# Allegro board arena_12-12_v5.brd (continued)
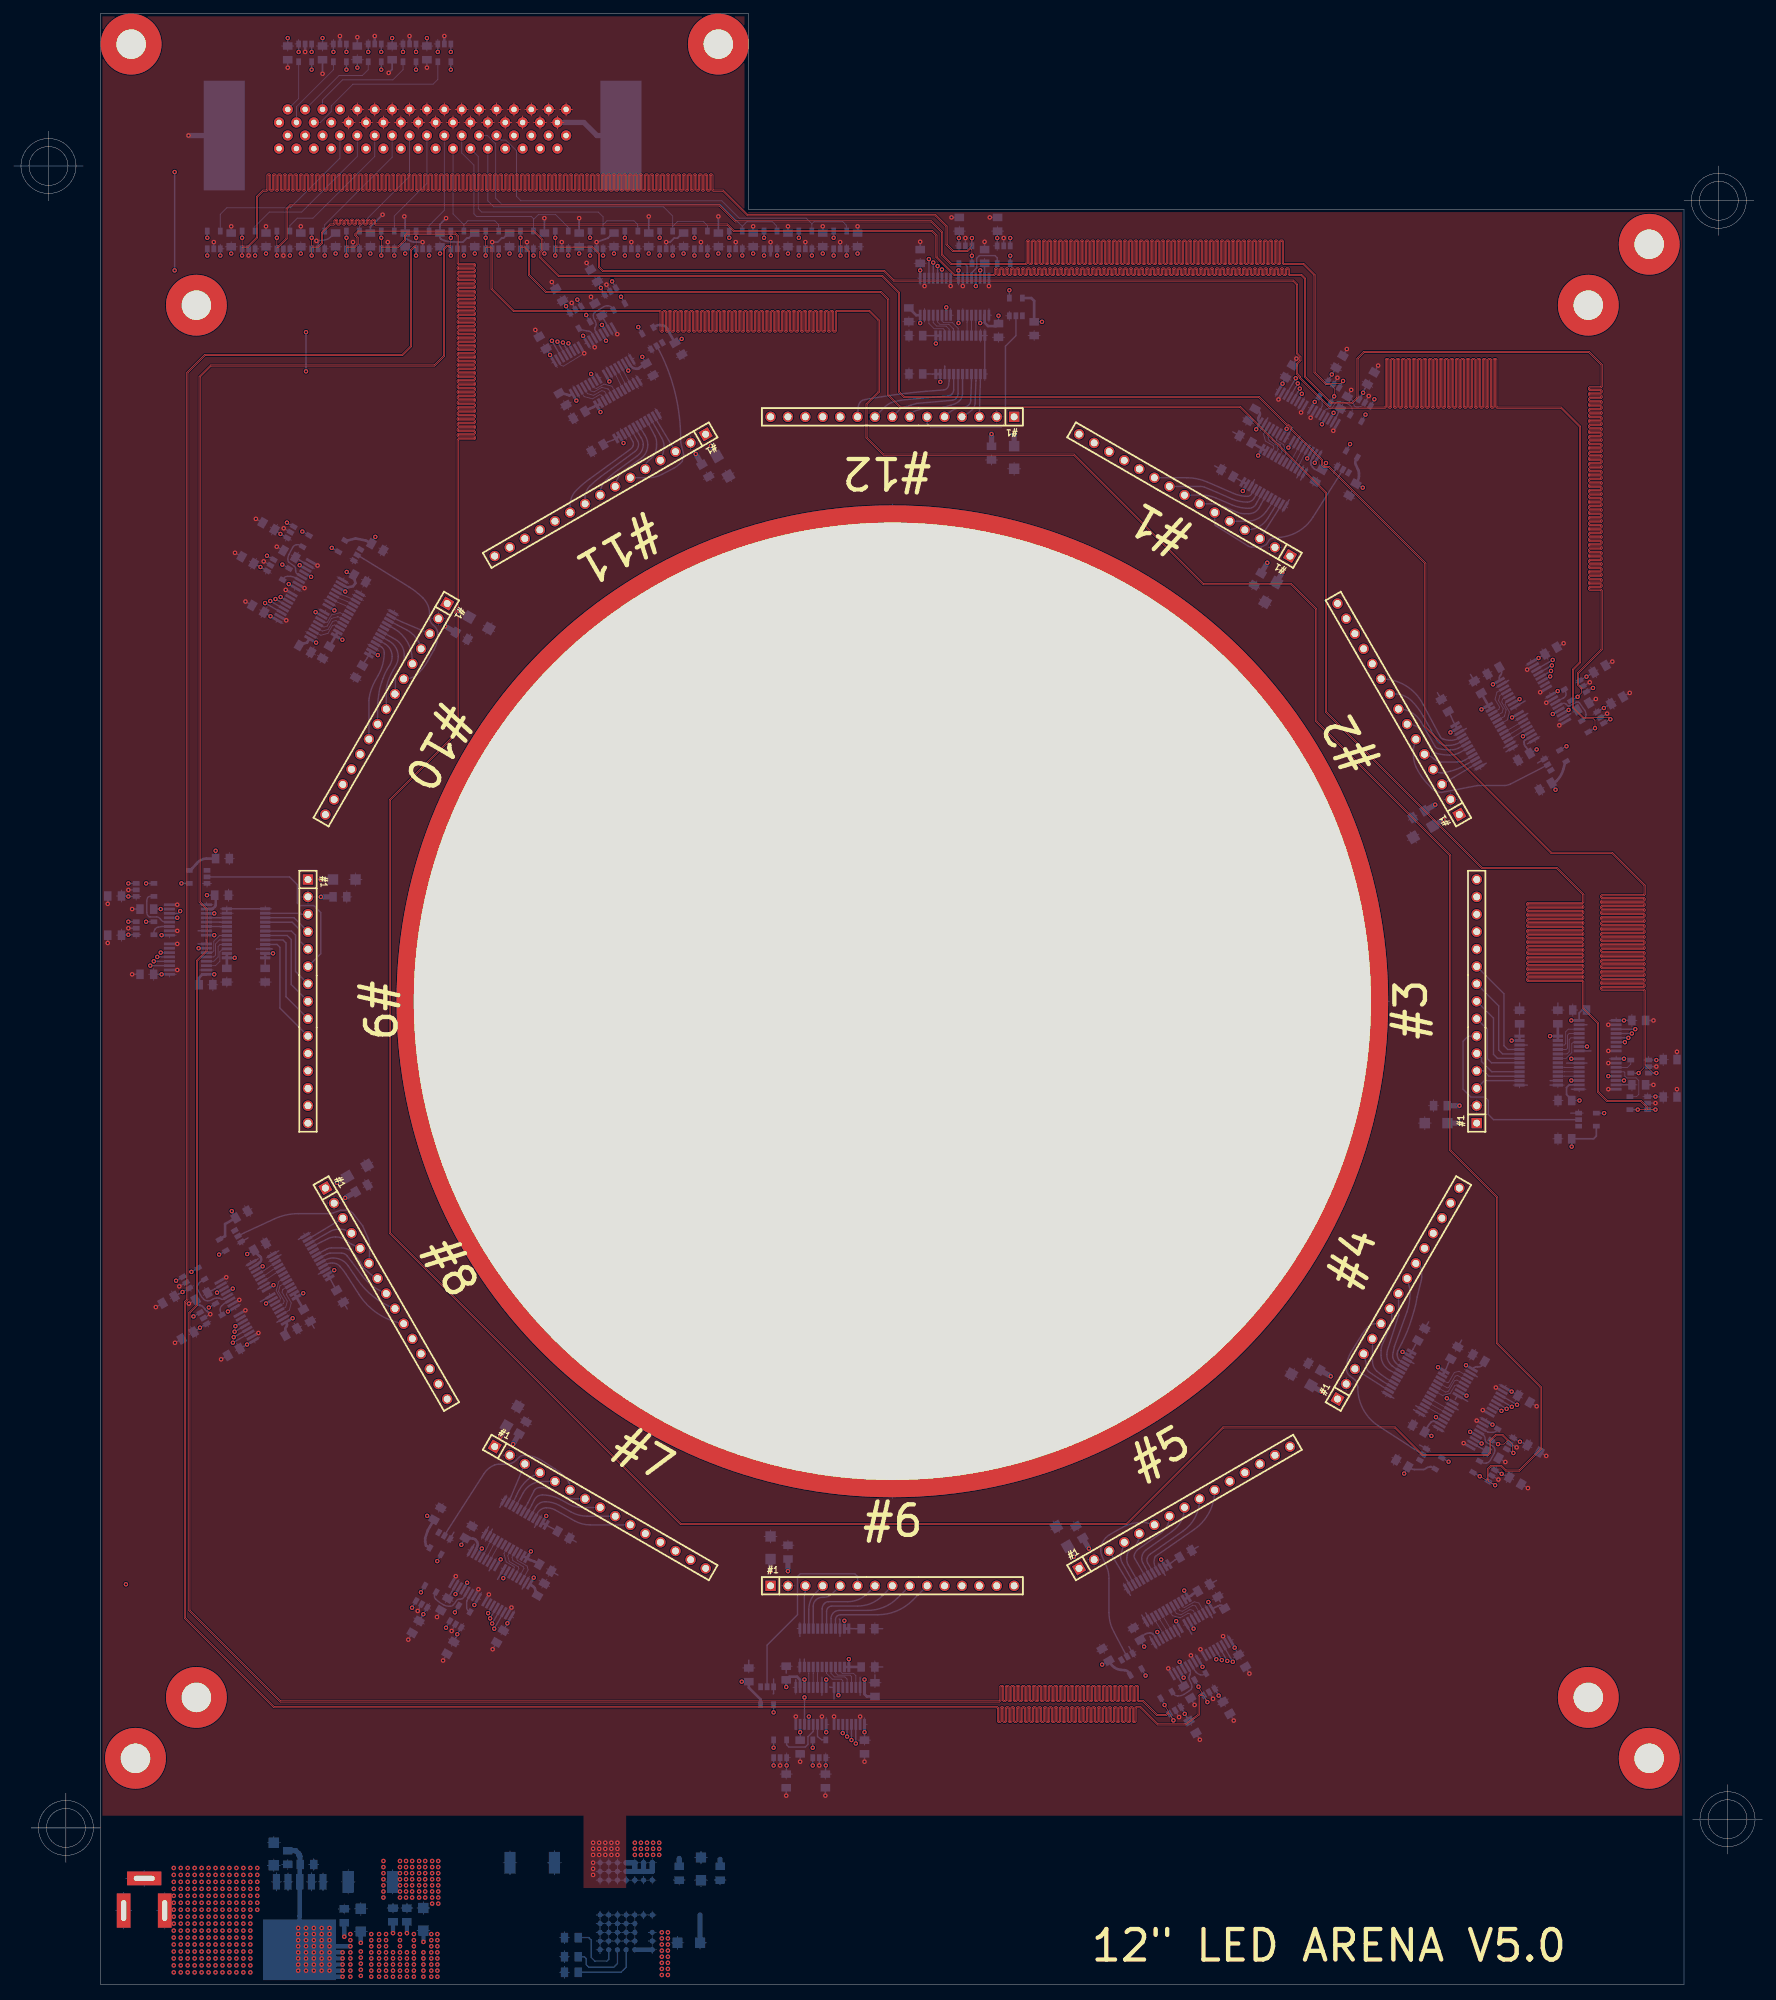
[diagram p0: board, top side]
## Routing (per net, layer and track width the routed paths; a pad name or vN(x,y) marks a point on that pad's centre or on a via; arc(x,y) is an arc through that point) (continued)
M8_P: length 503.8
  TOP w0.089: v1(230.55,189.25) 230.54,189.23 228.98,189.23 228.47,189.74 228.47,191.39 231.9,194.82 231.9,203.51 231.73,203.68 230.11,203.68 230.05,203.74 230.05,203.83 230.11,203.9 231.73,203.9 231.9,204.06 231.9,204.3 231.73,204.47 230.11,204.47 230.05,204.53 230.05,204.62 230.11,204.68 231.73,204.68 231.9,204.85 231.9,205.09 231.73,205.25 230.11,205.25 230.05,205.32 230.05,205.41 230.11,205.47 231.73,205.47 231.9,205.64 231.9,205.87 231.73,206.04 230.11,206.04 230.05,206.11 230.05,206.19 230.11,206.26 231.73,206.26 231.9,206.43 231.9,206.66 231.73,206.83 230.11,206.83 230.05,206.89 230.05,206.98 230.11,207.05 231.73,207.05 231.9,207.21 231.9,207.45 231.73,207.62 230.11,207.62 230.05,207.68 230.05,207.77 230.11,207.83 231.73,207.83 231.9,208 231.9,208.24 231.73,208.4 230.11,208.4 230.05,208.47 230.05,208.56 230.11,208.62 231.73,208.62 231.9,208.79 231.9,209.02 231.73,209.19 230.11,209.19 230.05,209.26 230.05,209.34 230.11,209.41 231.73,209.41 231.9,209.58 231.9,209.81 231.73,209.98 230.11,209.98 230.05,210.04 230.05,210.13 230.11,210.2 231.73,210.2 231.9,210.36 231.9,210.6 231.73,210.77 230.11,210.77 230.05,210.83 230.05,210.92 230.11,210.98 231.73,210.98 231.9,211.15 231.9,211.39 231.73,211.55 230.11,211.55 230.05,211.62 230.05,211.71 230.11,211.77 231.73,211.77 231.9,211.94 231.9,212.17 231.73,212.34 230.11,212.34 230.05,212.4 230.05,212.49 230.11,212.56 231.73,212.56 231.9,212.72 231.9,212.96 231.73,213.13 230.11,213.13 230.05,213.19 230.05,213.28 230.11,213.34 231.73,213.34 231.9,213.51 231.9,213.75 231.73,213.92 230.11,213.92 230.05,213.98 230.05,214.07 230.11,214.13 231.73,214.13 231.9,214.3 231.9,214.54 231.73,214.7 230.11,214.7 230.05,214.77 230.05,214.86 230.11,214.92 231.73,214.92 231.9,215.09 231.9,215.32 231.73,215.49 230.11,215.49 230.05,215.55 230.05,215.64 230.11,215.71 231.73,215.71 231.9,215.87 231.9,216.11 231.73,216.28 230.11,216.28 230.05,216.34 230.05,216.43 230.11,216.49 231.73,216.49 231.9,216.66 231.9,216.9 231.73,217.07 230.11,217.07 230.05,217.13 230.05,217.22 230.11,217.28 231.73,217.28 231.9,217.45 231.9,217.69 231.73,217.85 230.11,217.85 230.05,217.92 230.05,218.01 230.11,218.07 231.73,218.07 231.9,218.24 231.9,218.47 231.73,218.64 230.11,218.64 230.05,218.7 230.05,218.79 230.11,218.86 231.73,218.86 231.9,219.02 231.9,219.26 231.73,219.43 230.11,219.43 230.05,219.49 230.05,219.58 230.11,219.64 231.73,219.64 231.9,219.81 231.9,220.05 231.73,220.22 230.11,220.22 230.05,220.28 230.05,220.37 230.11,220.43 231.73,220.43 231.9,220.6 231.9,220.84 231.73,221 230.11,221 230.05,221.07 230.05,221.16 230.11,221.22 231.73,221.22 231.9,221.39 231.9,221.62 231.73,221.79 230.11,221.79 230.05,221.85 230.05,221.94 230.11,222.01 231.73,222.01 231.9,222.17 231.9,222.41 231.73,222.58 230.11,222.58 230.05,222.64 230.05,222.73 230.11,222.79 231.73,222.79 231.9,222.96 231.9,223.2 231.73,223.37 230.11,223.37 230.05,223.43 230.05,223.52 230.11,223.58 231.73,223.58 231.9,223.75 231.9,223.98 231.73,224.15 230.11,224.15 230.05,224.22 230.05,224.3 230.11,224.37 231.73,224.37 231.9,224.54 231.9,224.77 231.73,224.94 230.11,224.94 230.05,225 230.05,225.09 230.11,225.16 231.73,225.16 231.9,225.32 231.9,225.56 231.73,225.73 230.11,225.73 230.05,225.79 230.05,225.88 230.11,225.94 231.73,225.94 231.9,226.11 231.9,226.35 231.73,226.51 230.11,226.51 230.05,226.58 230.05,226.67 230.11,226.73 231.73,226.73 231.9,226.9 231.9,227.13 231.73,227.3 230.11,227.3 230.05,227.37 230.05,227.45 230.11,227.52 231.73,227.52 231.9,227.69 231.9,227.92 231.73,228.09 230.11,228.09 230.05,228.15 230.05,228.24 230.11,228.31 231.73,228.31 231.9,228.47 231.9,228.71 231.73,228.88 230.11,228.88 230.05,228.94 230.05,229.03 230.11,229.09 231.73,229.09 231.9,229.26 231.9,229.5 231.73,229.66 230.11,229.66 230.05,229.73 230.05,229.82 230.11,229.88 231.73,229.88 231.9,230.05 231.9,230.28 231.73,230.45 230.11,230.45 230.05,230.52 230.05,230.6 230.11,230.67 231.73,230.67 231.9,230.84 231.9,231.07 231.73,231.24 230.11,231.24 230.05,231.3 230.05,231.39 230.11,231.45 231.73,231.45 231.9,231.62 231.9,231.86 231.73,232.03 230.11,232.03 230.05,232.09 230.05,232.18 230.11,232.24 231.73,232.24 231.9,232.41 231.9,232.65 231.73,232.81 230.11,232.81 230.05,232.88 230.05,232.97 230.11,233.03 231.73,233.03 231.9,233.2 231.9,236.47 230,238.38 197.1,238.38 196.09,237.36 196.09,231.65 195.33,230.89 192.41,230.89 188.6,234.7 188.6,249.04 188.03,249.61 186.29,249.61 186.23,249.67 186.23,250.4 186.06,250.57 185.82,250.57 185.65,250.4 185.65,249.67 185.59,249.61 185.5,249.61 185.44,249.67 185.44,250.4 185.27,250.57 185.03,250.57 184.87,250.4 184.87,249.67 184.8,249.61 184.71,249.61 184.65,249.67 184.65,250.4 184.48,250.57 184.25,250.57 184.08,250.4 184.08,249.67 184.02,249.61 183.93,249.61 183.86,249.67 183.86,250.4 183.7,250.57 183.46,250.57 183.29,250.4 183.29,249.67 183.23,249.61 183.14,249.61 183.08,249.67 183.08,250.4 182.91,250.57 182.67,250.57 182.5,250.4 182.5,249.67 182.44,249.61 182.35,249.61 182.29,249.67 182.29,250.4 182.12,250.57 181.88,250.57 181.72,250.4 181.72,249.67 181.65,249.61 181.56,249.61 181.5,249.67 181.5,250.4 181.33,250.57 181.1,250.57 180.93,250.4 180.93,249.67 180.87,249.61 180.78,249.61 180.71,249.67 180.71,250.4 180.55,250.57 180.31,250.57 180.14,250.4 180.14,249.67 180.08,249.61 179.99,249.61 179.93,249.67 179.93,250.4 179.76,250.57 179.52,250.57 179.35,250.4 179.35,249.67 179.29,249.61 179.2,249.61 179.14,249.67 179.14,250.4 178.97,250.57 178.73,250.57 178.57,250.4 178.57,249.67 178.5,249.61 178.41,249.61 178.35,249.67 178.35,250.4 178.18,250.57 177.95,250.57 177.78,250.4 177.78,249.67 177.72,249.61 177.63,249.61 177.56,249.67 177.56,250.4 177.4,250.57 177.16,250.57 176.99,250.4 176.99,249.67 176.93,249.61 176.84,249.61 176.78,249.67 176.78,250.4 176.61,250.57 176.37,250.57 176.2,250.4 176.2,249.67 176.14,249.61 176.05,249.61 175.99,249.67 175.99,250.4 175.82,250.57 175.59,250.57 175.42,250.4 175.42,249.67 175.35,249.61 175.27,249.61 175.2,249.67 175.2,250.4 175.03,250.57 174.8,250.57 174.63,250.4 174.63,249.67 174.57,249.61 174.48,249.61 174.41,249.67 174.41,250.4 174.25,250.57 174.01,250.57 173.84,250.4 173.84,249.67 173.78,249.61 173.69,249.61 173.63,249.67 173.63,250.4 173.46,250.57 173.22,250.57 173.06,250.4 173.06,249.67 172.99,249.61 172.9,249.61 172.84,249.67 172.84,250.4 172.67,250.57 172.44,250.57 172.27,250.4 172.27,249.67 172.2,249.61 172.12,249.61 172.05,249.67 172.05,250.4 171.88,250.57 171.65,250.57 171.48,250.4 171.48,249.67 171.42,249.61 171.33,249.61 171.26,249.67 171.26,250.4 171.1,250.57 170.86,250.57 170.69,250.4 170.69,249.67 170.63,249.61 170.54,249.61 170.48,249.67 170.48,250.4 170.31,250.57 170.07,250.57 169.91,250.4 169.91,249.67 169.84,249.61 169.75,249.61 169.69,249.67 169.69,250.4 169.52,250.57 169.29,250.57 169.12,250.4 169.12,249.67 169.05,249.61 168.97,249.61 168.9,249.67 168.9,250.4 168.73,250.57 168.5,250.57 168.33,250.4 168.33,249.67 168.27,249.61 168.18,249.61 168.11,249.67 168.11,250.4 167.95,250.57 167.71,250.57 167.54,250.4 167.54,249.67 167.48,249.61 167.39,249.61 167.33,249.67 167.33,250.4 167.16,250.57 166.92,250.57 166.76,250.4 166.76,249.67 166.69,249.61 166.6,249.61 166.54,249.67 166.54,250.4 166.37,250.57 166.14,250.57 165.97,250.4 165.97,249.67 165.91,249.61 165.82,249.61 165.75,249.67 165.75,250.4 165.59,250.57 165.35,250.57 165.18,250.4 165.18,249.67 165.12,249.61 165.03,249.61 164.97,249.67 164.97,250.4 164.8,250.57 164.56,250.57 164.39,250.4 164.39,249.67 164.33,249.61 164.24,249.61 164.18,249.67 164.18,250.4 164.01,250.57 163.77,250.57 163.61,250.4 163.61,249.67 163.54,249.61 163.45,249.61 163.39,249.67 163.39,250.4 163.22,250.57 162.99,250.57 162.82,250.4 162.82,249.67 162.76,249.61 162.67,249.61 162.6,249.67 162.6,250.4 162.44,250.57 162.2,250.57 162.03,250.4 162.03,249.67 161.97,249.61 161.88,249.61 161.82,249.67 161.82,250.4 161.65,250.57 161.41,250.57 161.24,250.4 161.24,249.67 161.18,249.61 161.09,249.61 161.03,249.67 161.03,250.4 160.86,250.57 160.62,250.57 160.46,250.4 160.46,249.67 160.39,249.61 160.3,249.61 160.24,249.67 160.24,250.4 160.07,250.57 159.84,250.57 159.67,250.4 159.67,249.67 159.61,249.61 159.52,249.61 159.45,249.67 159.45,250.4 159.29,250.57 159.05,250.57 158.88,250.4 158.88,249.67 158.82,249.61 158.73,249.61 158.67,249.67 158.67,250.4 158.5,250.57 158.26,250.57 158.09,250.4 158.09,249.67 158.03,249.61 157.94,249.61 157.88,249.67 157.88,250.4 157.71,250.57 157.47,250.57 157.31,250.4 157.31,249.67 157.24,249.61 157.15,249.61 157.09,249.67 157.09,250.4 156.92,250.57 156.69,250.57 156.52,250.4 156.52,249.67 156.46,249.61 156.37,249.61 156.3,249.67 156.3,250.4 156.14,250.57 155.9,250.57 155.73,250.4 155.73,249.67 155.67,249.61 155.58,249.61 155.52,249.67 155.52,250.4 155.35,250.57 155.11,250.57 154.95,250.4 154.95,249.67 154.88,249.61 154.79,249.61 154.73,249.67 154.73,250.4 154.56,250.57 154.33,250.57 154.16,250.4 154.16,249.67 154.09,249.61 154.01,249.61 153.94,249.67 153.94,250.4 153.77,250.57 153.54,250.57 153.37,250.4 153.37,249.67 153.31,249.61 153.22,249.61 153.15,249.67 153.15,250.4 152.99,250.57 152.75,250.57 152.58,250.4 152.58,249.67 152.52,249.61 152.43,249.61 152.37,249.67 152.37,250.4 152.2,250.57 151.96,250.57 151.8,250.4 151.8,249.67 151.73,249.61 151.64,249.61 151.58,249.67 151.58,250.4 151.41,250.57 151.18,250.57 151.01,250.4 151.01,249.67 150.94,249.61 150.86,249.61 150.79,249.67 150.79,250.4 150.62,250.57 150.39,250.57 150.22,250.4 150.22,249.67 150.16,249.61 150.07,249.61 150,249.67 150,250.4 149.84,250.57 149.6,250.57 149.43,250.4 149.43,249.67 149.37,249.61 149.28,249.61 149.22,249.67 149.22,250.4 149.05,250.57 148.81,250.57 148.65,250.4 148.65,249.67 148.58,249.61 148.49,249.61 148.43,249.67 148.43,250.4 148.26,250.57 148.03,250.57 147.86,250.4 147.86,249.67 147.79,249.61 147.71,249.61 147.64,249.67 147.64,250.4 147.47,250.57 147.24,250.57 147.07,250.4 147.07,249.67 147.01,249.61 146.92,249.61 146.86,249.67 146.86,250.4 146.69,250.57 146.45,250.57 146.28,250.4 146.28,249.67 146.22,249.61 146.13,249.61 146.07,249.67 146.07,250.4 145.9,250.57 145.66,250.57 145.5,250.4 145.5,249.67 145.43,249.61 145.34,249.61 145.28,249.67 145.28,250.4 145.11,250.57 144.88,250.57 144.71,250.4 144.71,249.67 144.65,249.61 144.56,249.61 144.49,249.67 144.49,250.4 144.33,250.57 144.09,250.57 143.92,250.4 143.92,249.67 143.86,249.61 143.77,249.61 143.71,249.67 143.71,250.4 143.54,250.57 143.3,250.57 143.13,250.4 143.13,249.67 143.07,249.61 137.36,249.61 134.8,252.17 134.8,255.34 134.11,256.03 105.16,256.03 104.22,256.97 52.89,256.97 52.83,257.04 52.83,257.52 52.66,257.68 52.42,257.68 52.26,257.52 52.26,257.04 52.19,256.97 52.1,256.97 52.04,257.04 52.04,257.52 51.87,257.68 51.64,257.68 51.47,257.52 51.47,257.04 51.4,256.97 51.32,256.97 51.25,257.04 51.25,257.52 51.08,257.68 50.85,257.68 50.68,257.52 50.68,257.04 50.62,256.97 50.53,256.97 50.46,257.04 50.46,257.52 50.3,257.68 50.06,257.68 49.89,257.52 49.89,257.04 49.83,256.97 49.74,256.97 49.68,257.04 49.68,257.52 49.51,257.68 49.27,257.68 49.11,257.52 49.11,257.04 49.04,256.97 48.95,256.97 48.89,257.04 48.89,257.52 48.72,257.68 48.49,257.68 48.32,257.52 48.32,257.04 48.25,256.97 48.17,256.97 48.1,257.04 48.1,257.52 47.93,257.68 47.7,257.68 47.53,257.52 47.53,257.04 47.47,256.97 47.38,256.97 47.32,257.04 47.32,257.52 47.15,257.68 46.91,257.68 46.74,257.52 46.74,257.04 46.68,256.97 46.15,256.97 44.91,255.72 44.91,254.2 44.45,253.74 43.59,253.74 43.5,253.83 v1(43.5,254.95)
  BOTTOM w0.203: U91.4 v1(43.5,254.95) ; U92.3 v1(230.55,189.25)
M9_N: length 510.9
  TOP w0.089: v1(48.58,252.36) 48.58,253.48 48.67,253.57 49.86,253.57 50.29,254 50.29,255.02 49.97,255.33 49.97,255.46 50.42,255.9 75.82,255.9 77.09,254.63 77.09,253.24 76.79,252.94 76.79,252.01 79.5,249.3 126.75,249.3 129.16,246.89 129.16,232.41 129.92,231.65 181.74,231.65 185.81,227.58 186.04,227.58 186.33,227.28 186.33,227.05 190.89,222.49 190.89,221.79 191.29,221.39 191.99,221.39 205.99,207.39 205.99,183.51 224.41,165.1 233.3,165.1 238,160.4 238,159.14 237.93,159.08 231.82,159.08 231.65,158.91 231.65,158.68 231.82,158.51 237.93,158.51 238,158.45 238,158.36 237.93,158.29 231.82,158.29 231.65,158.13 231.65,157.89 231.82,157.72 237.93,157.72 238,157.66 238,157.57 237.93,157.51 231.82,157.51 231.65,157.34 231.65,157.1 231.82,156.93 237.93,156.93 238,156.87 238,156.78 237.93,156.72 231.82,156.72 231.65,156.55 231.65,156.31 231.82,156.15 237.93,156.15 238,156.08 238,155.99 237.93,155.93 231.82,155.93 231.65,155.76 231.65,155.53 231.82,155.36 237.93,155.36 238,155.3 238,155.21 237.93,155.14 231.82,155.14 231.65,154.98 231.65,154.74 231.82,154.57 237.93,154.57 238,154.51 238,154.42 237.93,154.36 231.82,154.36 231.65,154.19 231.65,153.95 231.82,153.78 237.93,153.78 238,153.72 238,153.63 237.93,153.57 231.82,153.57 231.65,153.4 231.65,153.16 231.82,153 237.93,153 238,152.93 238,152.84 237.93,152.78 231.82,152.78 231.65,152.61 231.65,152.38 231.82,152.21 237.93,152.21 238,152.15 238,152.06 237.93,151.99 231.82,151.99 231.65,151.83 231.65,151.59 231.82,151.42 237.93,151.42 238,151.36 238,151.27 237.93,151.21 231.82,151.21 231.65,151.04 231.65,150.8 231.82,150.63 237.93,150.63 238,150.57 238,150.48 237.93,150.42 231.82,150.42 231.65,150.25 231.65,150.01 231.82,149.85 237.93,149.85 238,149.78 238,149.69 237.93,149.63 231.82,149.63 231.65,149.46 231.65,149.23 231.82,149.06 237.93,149.06 238,149 238,148.91 237.93,148.84 231.82,148.84 231.65,148.68 231.65,148.44 231.82,148.27 237.93,148.27 238,148.21 238,148.12 237.93,148.06 231.82,148.06 231.65,147.89 231.65,147.65 231.82,147.49 237.93,147.49 238,147.42 238,147.33 237.93,147.27 231.82,147.27 231.65,147.1 231.65,146.87 231.82,146.7 237.93,146.7 238,146.63 238,146.55 237.93,146.48 231.82,146.48 231.65,146.31 231.65,146.08 231.82,145.91 237.93,145.91 238,145.85 238,145.76 237.93,145.69 231.82,145.69 231.65,145.53 231.65,145.29 231.82,145.12 237.93,145.12 238,145.06 238,133.82 v1(237.21,133.04)
  BOTTOM w0.203: U94.4 v1(237.21,133.04) ; U93.3 v1(48.58,252.36)
M9_P: length 511.8
  TOP w0.089: v1(239.8,133.04) 239.38,133.04 238.18,134.24 238.18,145.13 238.01,145.3 231.89,145.3 231.83,145.36 231.83,145.45 231.89,145.52 238.01,145.52 238.18,145.68 238.18,145.92 238.01,146.09 231.89,146.09 231.83,146.15 231.83,146.24 231.89,146.3 238.01,146.3 238.18,146.47 238.18,146.71 238.01,146.88 231.89,146.88 231.83,146.94 231.83,147.03 231.89,147.09 238.01,147.09 238.18,147.26 238.18,147.5 238.01,147.66 231.89,147.66 231.83,147.73 231.83,147.82 231.89,147.88 238.01,147.88 238.18,148.05 238.18,148.28 238.01,148.45 231.89,148.45 231.83,148.51 231.83,148.6 231.89,148.67 238.01,148.67 238.18,148.83 238.18,149.07 238.01,149.24 231.89,149.24 231.83,149.3 231.83,149.39 231.89,149.45 238.01,149.45 238.18,149.62 238.18,149.86 238.01,150.03 231.89,150.03 231.83,150.09 231.83,150.18 231.89,150.24 238.01,150.24 238.18,150.41 238.18,150.64 238.01,150.81 231.89,150.81 231.83,150.88 231.83,150.96 231.89,151.03 238.01,151.03 238.18,151.2 238.18,151.43 238.01,151.6 231.89,151.6 231.83,151.66 231.83,151.75 231.89,151.82 238.01,151.82 238.18,151.98 238.18,152.22 238.01,152.39 231.89,152.39 231.83,152.45 231.83,152.54 231.89,152.6 238.01,152.6 238.18,152.77 238.18,153.01 238.01,153.17 231.89,153.17 231.83,153.24 231.83,153.33 231.89,153.39 238.01,153.39 238.18,153.56 238.18,153.79 238.01,153.96 231.89,153.96 231.83,154.03 231.83,154.11 231.89,154.18 238.01,154.18 238.18,154.35 238.18,154.58 238.01,154.75 231.89,154.75 231.83,154.81 231.83,154.9 231.89,154.97 238.01,154.97 238.18,155.13 238.18,155.37 238.01,155.54 231.89,155.54 231.83,155.6 231.83,155.69 231.89,155.75 238.01,155.75 238.18,155.92 238.18,156.16 238.01,156.32 231.89,156.32 231.83,156.39 231.83,156.48 231.89,156.54 238.01,156.54 238.18,156.71 238.18,156.94 238.01,157.11 231.89,157.11 231.83,157.18 231.83,157.26 231.89,157.33 238.01,157.33 238.18,157.5 238.18,157.73 238.01,157.9 231.89,157.9 231.83,157.96 231.83,158.05 231.89,158.11 238.01,158.11 238.18,158.28 238.18,158.52 238.01,158.69 231.89,158.69 231.83,158.75 231.83,158.84 231.89,158.9 238.01,158.9 238.18,159.07 238.18,160.47 233.37,165.28 224.48,165.28 206.17,183.59 206.17,207.46 192.06,221.57 191.36,221.57 191.07,221.87 191.07,222.57 186.51,227.13 186.51,227.36 186.11,227.75 185.88,227.75 181.81,231.83 129.99,231.83 129.34,232.48 129.34,246.96 126.82,249.48 79.58,249.48 76.97,252.09 76.97,252.86 77.27,253.16 77.27,254.71 75.89,256.08 50.35,256.08 49.8,255.53 49.8,255.26 50.11,254.94 50.11,254.07 49.78,253.74 48.67,253.74 48.58,253.83 v1(48.58,254.95)
  BOTTOM w0.203: U93.4 v1(48.58,254.95) ; U94.3 v1(239.8,133.04)
M10_N: length 516.8
  TOP w0.089: v1(216.69,78.88) 217.56,78.88 218.06,79.38 217.35,80.09 216.35,80.09 215.57,79.3 215.57,77.52 215.26,77.22 205.62,77.22 201.6,81.23 176.6,81.23 162.51,67.13 97.34,67.13 54.81,109.65 54.81,172.92 64.72,182.83 64.72,199.76 64.3,200.19 64.3,200.75 64.72,201.18 64.72,225.47 64.89,225.64 67.2,225.64 67.26,225.7 67.26,225.79 67.2,225.86 64.89,225.86 64.72,226.02 64.72,226.26 64.89,226.43 67.2,226.43 67.26,226.49 67.26,226.58 67.2,226.64 64.89,226.64 64.72,226.81 64.72,227.05 64.89,227.22 67.2,227.22 67.26,227.28 67.26,227.37 67.2,227.43 64.89,227.43 64.72,227.6 64.72,227.84 64.89,228 67.2,228 67.26,228.07 67.26,228.16 67.2,228.22 64.89,228.22 64.72,228.39 64.72,228.62 64.89,228.79 67.2,228.79 67.26,228.85 67.26,228.94 67.2,229.01 64.89,229.01 64.72,229.17 64.72,229.41 64.89,229.58 67.2,229.58 67.26,229.64 67.26,229.73 67.2,229.79 64.89,229.79 64.72,229.96 64.72,230.2 64.89,230.37 67.2,230.37 67.26,230.43 67.26,230.52 67.2,230.58 64.89,230.58 64.72,230.75 64.72,230.99 64.89,231.15 67.2,231.15 67.26,231.22 67.26,231.31 67.2,231.37 64.89,231.37 64.72,231.54 64.72,231.77 64.89,231.94 67.2,231.94 67.26,232 67.26,232.09 67.2,232.16 64.89,232.16 64.72,232.32 64.72,232.56 64.89,232.73 67.2,232.73 67.26,232.79 67.26,232.88 67.2,232.94 64.89,232.94 64.72,233.11 64.72,233.35 64.89,233.51 67.2,233.51 67.26,233.58 67.26,233.67 67.2,233.73 64.89,233.73 64.72,233.9 64.72,234.13 64.89,234.3 67.2,234.3 67.26,234.37 67.26,234.45 67.2,234.52 64.89,234.52 64.72,234.69 64.72,234.92 64.89,235.09 67.2,235.09 67.26,235.15 67.26,235.24 67.2,235.31 64.89,235.31 64.72,235.47 64.72,235.71 64.89,235.88 67.2,235.88 67.26,235.94 67.26,236.03 67.2,236.09 64.89,236.09 64.72,236.26 64.72,236.5 64.89,236.66 67.2,236.66 67.26,236.73 67.26,236.82 67.2,236.88 64.89,236.88 64.72,237.05 64.72,237.28 64.89,237.45 67.2,237.45 67.26,237.52 67.26,237.6 67.2,237.67 64.89,237.67 64.72,237.84 64.72,238.07 64.89,238.24 67.2,238.24 67.26,238.3 67.26,238.39 67.2,238.46 64.89,238.46 64.72,238.62 64.72,238.86 64.89,239.03 67.2,239.03 67.26,239.09 67.26,239.18 67.2,239.24 64.89,239.24 64.72,239.41 64.72,239.65 64.89,239.81 67.2,239.81 67.26,239.88 67.26,239.97 67.2,240.03 64.89,240.03 64.72,240.2 64.72,240.43 64.89,240.6 67.2,240.6 67.26,240.66 67.26,240.75 67.2,240.82 64.89,240.82 64.72,240.99 64.72,241.22 64.89,241.39 67.2,241.39 67.26,241.45 67.26,241.54 67.2,241.6 64.89,241.6 64.72,241.77 64.72,242.01 64.89,242.18 67.2,242.18 67.26,242.24 67.26,242.33 67.2,242.39 64.89,242.39 64.72,242.56 64.72,242.8 64.89,242.96 67.2,242.96 67.26,243.03 67.26,243.12 67.2,243.18 64.89,243.18 64.72,243.35 64.72,243.58 64.89,243.75 67.2,243.75 67.26,243.81 67.26,243.9 67.2,243.97 64.89,243.97 64.72,244.13 64.72,244.37 64.89,244.54 67.2,244.54 67.26,244.6 67.26,244.69 67.2,244.75 64.89,244.75 64.72,244.92 64.72,245.16 64.89,245.33 67.2,245.33 67.26,245.39 67.26,245.48 67.2,245.54 64.89,245.54 64.72,245.71 64.72,245.95 64.89,246.11 67.2,246.11 67.26,246.18 67.26,246.27 67.2,246.33 64.89,246.33 64.72,246.5 64.72,246.73 64.89,246.9 67.2,246.9 67.26,246.96 67.26,247.05 67.2,247.12 64.89,247.12 64.72,247.28 64.72,247.52 64.89,247.69 67.2,247.69 67.26,247.75 67.26,247.84 67.2,247.9 64.89,247.9 64.72,248.07 64.72,248.31 64.89,248.48 67.2,248.48 67.26,248.54 67.26,248.63 67.2,248.69 64.89,248.69 64.72,248.86 64.72,249.1 64.89,249.26 67.2,249.26 67.26,249.33 67.26,249.42 67.2,249.48 64.89,249.48 64.72,249.65 64.72,249.88 64.89,250.05 67.2,250.05 67.26,250.11 67.26,250.2 67.2,250.27 64.89,250.27 64.72,250.43 64.72,250.67 64.89,250.84 67.2,250.84 67.26,250.9 67.26,250.99 67.2,251.05 64.89,251.05 64.72,251.22 64.72,255.2 64.44,255.47 57.48,255.47 57.2,255.2 57.2,254.56 56.21,253.57 53.75,253.57 53.66,253.48 v1(53.66,252.36)
  BOTTOM w0.203: U96.4 v1(216.69,78.88) ; U95.3 v1(53.66,252.36)
M10_P: length 517.6
  TOP w0.089: v1(53.66,254.95) 53.66,253.83 53.75,253.74 56.13,253.74 57.02,254.63 57.02,255.27 57.4,255.65 64.52,255.65 64.9,255.27 64.9,251.29 64.96,251.23 67.27,251.23 67.44,251.06 67.44,250.83 67.27,250.66 64.96,250.66 64.9,250.6 64.9,250.51 64.96,250.44 67.27,250.44 67.44,250.28 67.44,250.04 67.27,249.87 64.96,249.87 64.9,249.81 64.9,249.72 64.96,249.66 67.27,249.66 67.44,249.49 67.44,249.25 67.27,249.09 64.96,249.09 64.9,249.02 64.9,248.93 64.96,248.87 67.27,248.87 67.44,248.7 67.44,248.47 67.27,248.3 64.96,248.3 64.9,248.23 64.9,248.15 64.96,248.08 67.27,248.08 67.44,247.91 67.44,247.68 67.27,247.51 64.96,247.51 64.9,247.45 64.9,247.36 64.96,247.29 67.27,247.29 67.44,247.13 67.44,246.89 67.27,246.72 64.96,246.72 64.9,246.66 64.9,246.57 64.96,246.51 67.27,246.51 67.44,246.34 67.44,246.1 67.27,245.94 64.96,245.94 64.9,245.87 64.9,245.78 64.96,245.72 67.27,245.72 67.44,245.55 67.44,245.32 67.27,245.15 64.96,245.15 64.9,245.08 64.9,245 64.96,244.93 67.27,244.93 67.44,244.76 67.44,244.53 67.27,244.36 64.96,244.36 64.9,244.3 64.9,244.21 64.96,244.14 67.27,244.14 67.44,243.98 67.44,243.74 67.27,243.57 64.96,243.57 64.9,243.51 64.9,243.42 64.96,243.36 67.27,243.36 67.44,243.19 67.44,242.95 67.27,242.79 64.96,242.79 64.9,242.72 64.9,242.63 64.96,242.57 67.27,242.57 67.44,242.4 67.44,242.17 67.27,242 64.96,242 64.9,241.94 64.9,241.85 64.96,241.78 67.27,241.78 67.44,241.61 67.44,241.38 67.27,241.21 64.96,241.21 64.9,241.15 64.9,241.06 64.96,241 67.27,241 67.44,240.83 67.44,240.59 67.27,240.42 64.96,240.42 64.9,240.36 64.9,240.27 64.96,240.21 67.27,240.21 67.44,240.04 67.44,239.8 67.27,239.64 64.96,239.64 64.9,239.57 64.9,239.48 64.96,239.42 67.27,239.42 67.44,239.25 67.44,239.02 67.27,238.85 64.96,238.85 64.9,238.79 64.9,238.7 64.96,238.63 67.27,238.63 67.44,238.47 67.44,238.23 67.27,238.06 64.96,238.06 64.9,238 64.9,237.91 64.96,237.85 67.27,237.85 67.44,237.68 67.44,237.44 67.27,237.27 64.96,237.27 64.9,237.21 64.9,237.12 64.96,237.06 67.27,237.06 67.44,236.89 67.44,236.65 67.27,236.49 64.96,236.49 64.9,236.42 64.9,236.33 64.96,236.27 67.27,236.27 67.44,236.1 67.44,235.87 67.27,235.7 64.96,235.7 64.9,235.64 64.9,235.55 64.96,235.48 67.27,235.48 67.44,235.32 67.44,235.08 67.27,234.91 64.96,234.91 64.9,234.85 64.9,234.76 64.96,234.7 67.27,234.7 67.44,234.53 67.44,234.29 67.27,234.12 64.96,234.12 64.9,234.06 64.9,233.97 64.96,233.91 67.27,233.91 67.44,233.74 67.44,233.5 67.27,233.34 64.96,233.34 64.9,233.27 64.9,233.18 64.96,233.12 67.27,233.12 67.44,232.95 67.44,232.72 67.27,232.55 64.96,232.55 64.9,232.49 64.9,232.4 64.96,232.33 67.27,232.33 67.44,232.17 67.44,231.93 67.27,231.76 64.96,231.76 64.9,231.7 64.9,231.61 64.96,231.55 67.27,231.55 67.44,231.38 67.44,231.14 67.27,230.97 64.96,230.97 64.9,230.91 64.9,230.82 64.96,230.76 67.27,230.76 67.44,230.59 67.44,230.36 67.27,230.19 64.96,230.19 64.9,230.12 64.9,230.04 64.96,229.97 67.27,229.97 67.44,229.8 67.44,229.57 67.27,229.4 64.96,229.4 64.9,229.34 64.9,229.25 64.96,229.18 67.27,229.18 67.44,229.02 67.44,228.78 67.27,228.61 64.96,228.61 64.9,228.55 64.9,228.46 64.96,228.4 67.27,228.4 67.44,228.23 67.44,227.99 67.27,227.83 64.96,227.83 64.9,227.76 64.9,227.67 64.96,227.61 67.27,227.61 67.44,227.44 67.44,227.21 67.27,227.04 64.96,227.04 64.9,226.97 64.9,226.89 64.96,226.82 67.27,226.82 67.44,226.65 67.44,226.42 67.27,226.25 64.96,226.25 64.9,226.19 64.9,226.1 64.96,226.03 67.27,226.03 67.44,225.87 67.44,225.63 67.27,225.46 64.96,225.46 64.9,225.4 64.9,201.1 64.47,200.68 64.47,200.26 64.9,199.84 64.9,182.75 54.99,172.85 54.99,109.73 97.41,67.31 162.43,67.31 176.53,81.4 201.68,81.4 205.69,77.39 215.19,77.39 215.39,77.6 215.39,79.37 216.28,80.26 217.42,80.26 218.78,78.91 218.78,77.74 v1(218.94,77.59)
  BOTTOM w0.203: U95.4 v1(53.66,254.95) ; U96.3 v1(218.94,77.59)
M11_N: length 498.9
  TOP w0.089: v1(172.96,43.47) 173.53,42.51 173.5,42.43 173.44,42.37 173.13,42.37 172.9,42.14 172.9,39.43 171.04,38.06 167.05,38.06 164.54,40.57 163.84,40.57 163.68,40.4 163.68,38.47 163.61,38.4 163.52,38.4 163.46,38.47 163.46,40.4 163.29,40.57 163.06,40.57 162.89,40.4 162.89,38.47 162.82,38.4 162.74,38.4 162.67,38.47 162.67,40.4 162.5,40.57 162.27,40.57 162.1,40.4 162.1,38.47 162.04,38.4 161.95,38.4 161.88,38.47 161.88,40.4 161.72,40.57 161.48,40.57 161.31,40.4 161.31,38.47 161.25,38.4 161.16,38.4 161.1,38.47 161.1,40.4 160.93,40.57 160.69,40.57 160.53,40.4 160.53,38.47 160.46,38.4 160.37,38.4 160.31,38.47 160.31,40.4 160.14,40.57 159.91,40.57 159.74,40.4 159.74,38.47 159.67,38.4 159.59,38.4 159.52,38.47 159.52,40.4 159.35,40.57 159.12,40.57 158.95,40.4 158.95,38.47 158.89,38.4 158.8,38.4 158.73,38.47 158.73,40.4 158.57,40.57 158.33,40.57 158.16,40.4 158.16,38.47 158.1,38.4 158.01,38.4 157.95,38.47 157.95,40.4 157.78,40.57 157.54,40.57 157.38,40.4 157.38,38.47 157.31,38.4 157.22,38.4 157.16,38.47 157.16,40.4 156.99,40.57 156.76,40.57 156.59,40.4 156.59,38.47 156.52,38.4 156.44,38.4 156.37,38.47 156.37,40.4 156.2,40.57 155.97,40.57 155.8,40.4 155.8,38.47 155.74,38.4 155.65,38.4 155.59,38.47 155.59,40.4 155.42,40.57 155.18,40.57 155.01,40.4 155.01,38.47 154.95,38.4 154.86,38.4 154.8,38.47 154.8,40.4 154.63,40.57 154.39,40.57 154.23,40.4 154.23,38.47 154.16,38.4 154.07,38.4 154.01,38.47 154.01,40.4 153.84,40.57 153.61,40.57 153.44,40.4 153.44,38.47 153.38,38.4 153.29,38.4 153.22,38.47 153.22,40.4 153.06,40.57 152.82,40.57 152.65,40.4 152.65,38.47 152.59,38.4 152.5,38.4 152.44,38.47 152.44,40.4 152.27,40.57 152.03,40.57 151.86,40.4 151.86,38.47 151.8,38.4 151.71,38.4 151.65,38.47 151.65,40.4 151.48,40.57 151.24,40.57 151.08,40.4 151.08,38.47 151.01,38.4 150.92,38.4 150.86,38.47 150.86,40.4 150.69,40.57 150.46,40.57 150.29,40.4 150.29,38.47 150.23,38.4 150.14,38.4 150.07,38.47 150.07,40.4 149.91,40.57 149.67,40.57 149.5,40.4 149.5,38.47 149.44,38.4 149.35,38.4 149.29,38.47 149.29,40.4 149.12,40.57 148.88,40.57 148.71,40.4 148.71,38.47 148.65,38.4 148.56,38.4 148.5,38.47 148.5,40.4 148.33,40.57 148.09,40.57 147.93,40.4 147.93,38.47 147.86,38.4 147.77,38.4 147.71,38.47 147.71,40.4 147.54,40.57 147.31,40.57 147.14,40.4 147.14,38.47 147.08,38.4 146.99,38.4 146.92,38.47 146.92,40.4 146.76,40.57 146.52,40.57 146.35,40.4 146.35,38.47 146.29,38.4 146.2,38.4 146.14,38.47 146.14,40.4 145.97,40.57 145.73,40.57 145.56,40.4 145.56,38.47 145.5,38.4 145.41,38.4 145.35,38.47 145.35,40.4 145.18,40.57 144.95,40.57 144.78,40.4 144.78,38.47 144.71,38.4 144.63,38.4 144.56,38.47 144.56,40.4 144.39,40.57 144.16,40.57 143.99,40.4 143.99,38.47 143.93,38.4 143.84,38.4 143.77,38.47 143.77,40.4 143.61,40.57 38.04,40.57 25.07,53.54 25.07,99.59 25.44,99.96 25.44,235.25 27.94,237.74 56.77,237.74 58.09,239.06 58.09,253.13 58.52,253.57 58.65,253.57 58.74,253.48 v1(58.74,252.36)
  BOTTOM w0.203: U97.3 v1(58.74,252.36) ; U98.4 v1(172.96,43.47)
M11_P: length 499.6
  TOP w0.089: v1(174.26,41.23) 173.7,42.19 173.21,42.19 173.08,42.06 173.08,39.34 171.1,37.88 166.98,37.88 164.47,40.39 163.92,40.39 163.85,40.33 163.85,38.39 163.69,38.23 163.45,38.23 163.28,38.39 163.28,40.33 163.22,40.39 163.13,40.39 163.07,40.33 163.07,38.39 162.9,38.23 162.66,38.23 162.49,38.39 162.49,40.33 162.43,40.39 162.34,40.39 162.28,40.33 162.28,38.39 162.11,38.23 161.87,38.23 161.71,38.39 161.71,40.33 161.64,40.39 161.55,40.39 161.49,40.33 161.49,38.39 161.32,38.23 161.09,38.23 160.92,38.39 160.92,40.33 160.86,40.39 160.77,40.39 160.7,40.33 160.7,38.39 160.54,38.23 160.3,38.23 160.13,38.39 160.13,40.33 160.07,40.39 159.98,40.39 159.92,40.33 159.92,38.39 159.75,38.23 159.51,38.23 159.34,38.39 159.34,40.33 159.28,40.39 159.19,40.39 159.13,40.33 159.13,38.39 158.96,38.23 158.72,38.23 158.56,38.39 158.56,40.33 158.49,40.39 158.4,40.39 158.34,40.33 158.34,38.39 158.17,38.23 157.94,38.23 157.77,38.39 157.77,40.33 157.71,40.39 157.62,40.39 157.55,40.33 157.55,38.39 157.39,38.23 157.15,38.23 156.98,38.39 156.98,40.33 156.92,40.39 156.83,40.39 156.77,40.33 156.77,38.39 156.6,38.23 156.36,38.23 156.19,38.39 156.19,40.33 156.13,40.39 156.04,40.39 155.98,40.33 155.98,38.39 155.81,38.23 155.58,38.23 155.41,38.39 155.41,40.33 155.34,40.39 155.25,40.39 155.19,40.33 155.19,38.39 155.02,38.23 154.79,38.23 154.62,38.39 154.62,40.33 154.56,40.39 154.47,40.39 154.4,40.33 154.4,38.39 154.24,38.23 154,38.23 153.83,38.39 153.83,40.33 153.77,40.39 153.68,40.39 153.62,40.33 153.62,38.39 153.45,38.23 153.21,38.23 153.05,38.39 153.05,40.33 152.98,40.39 152.89,40.39 152.83,40.33 152.83,38.39 152.66,38.23 152.43,38.23 152.26,38.39 152.26,40.33 152.19,40.39 152.11,40.39 152.04,40.33 152.04,38.39 151.87,38.23 151.64,38.23 151.47,38.39 151.47,40.33 151.41,40.39 151.32,40.39 151.25,40.33 151.25,38.39 151.09,38.23 150.85,38.23 150.68,38.39 150.68,40.33 150.62,40.39 150.53,40.39 150.47,40.33 150.47,38.39 150.3,38.23 150.06,38.23 149.9,38.39 149.9,40.33 149.83,40.39 149.74,40.39 149.68,40.33 149.68,38.39 149.51,38.23 149.28,38.23 149.11,38.39 149.11,40.33 149.04,40.39 148.96,40.39 148.89,40.33 148.89,38.39 148.72,38.23 148.49,38.23 148.32,38.39 148.32,40.33 148.26,40.39 148.17,40.39 148.1,40.33 148.1,38.39 147.94,38.23 147.7,38.23 147.53,38.39 147.53,40.33 147.47,40.39 147.38,40.39 147.32,40.33 147.32,38.39 147.15,38.23 146.91,38.23 146.75,38.39 146.75,40.33 146.68,40.39 146.59,40.39 146.53,40.33 146.53,38.39 146.36,38.23 146.13,38.23 145.96,38.39 145.96,40.33 145.9,40.39 145.81,40.39 145.74,40.33 145.74,38.39 145.58,38.23 145.34,38.23 145.17,38.39 145.17,40.33 145.11,40.39 145.02,40.39 144.96,40.33 144.96,38.39 144.79,38.23 144.55,38.23 144.38,38.39 144.38,40.33 144.32,40.39 144.23,40.39 144.17,40.33 144.17,38.39 144,38.23 143.76,38.23 143.6,38.39 143.6,40.33 143.53,40.39 37.97,40.39 24.89,53.46 24.89,99.67 25.27,100.04 25.27,235.32 27.86,237.92 56.7,237.92 57.91,239.14 57.91,253.2 58.45,253.74 58.65,253.74 58.74,253.83 v1(58.74,254.95)